# KiCad board Duet2.kicad_pcb (continued)
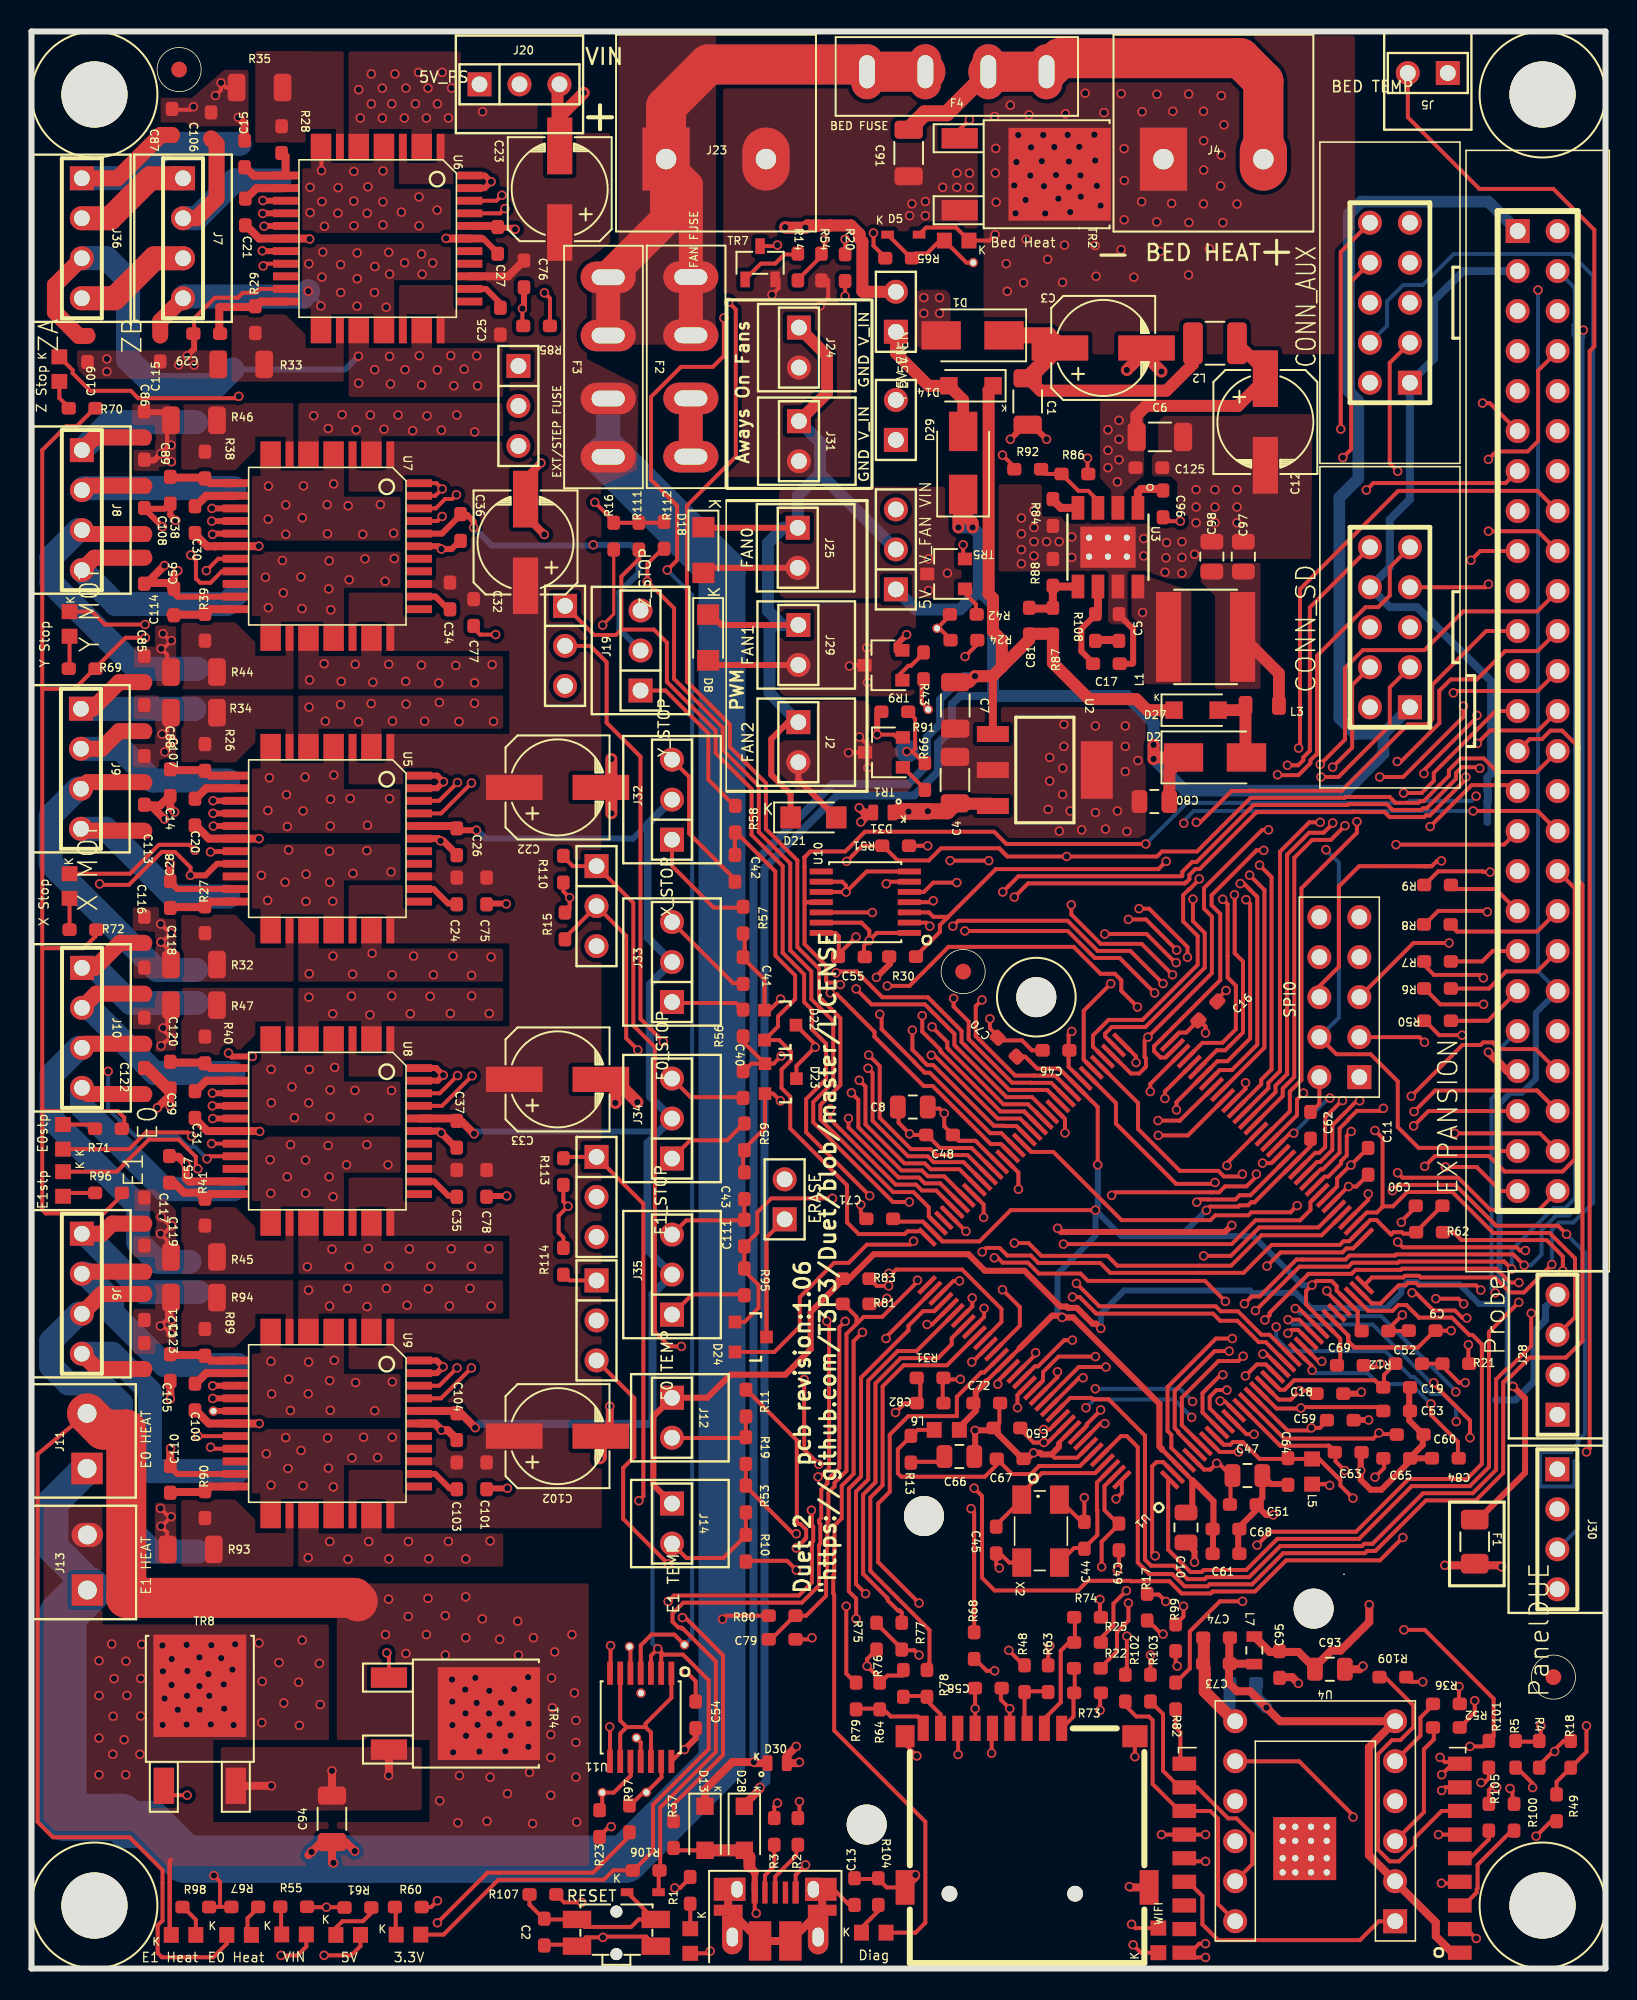
[diagram p0: board, top side]
## Copper pours and planes (outline as drawn; the poured copper is in the pictures) (continued)
Net-(R39-Pad1) on Top: 16.64,81.22 9.52,81.22 9.52,85.49 12.94,85.49 14.22,84.22 14.22,83.36 16.15,83.36 16.15,85.22 16.64,85.22
Net-(R40-Pad1) on Top: 16.64,58.28 16.14,58.28 16.14,60.13 14.22,60.13 14.22,59.28 12.94,58 9.52,58 9.52,62.27 16.64,62.27
Net-(R41-Pad1) on Top: 16.64,44.08 9.52,44.08 9.52,48.35 12.94,48.35 14.22,47.08 14.22,46.22 16.15,46.22 16.15,48.08 16.64,48.08
Net-(R89-Pad1) on Top: 16.64,39.71 16.14,39.71 16.14,41.56 14.22,41.56 14.22,40.71 12.94,39.43 9.52,39.43 9.52,43.7 16.64,43.7
Net-(R90-Pad1) on Top: 16.64,25.51 9.52,25.51 9.52,29.78 12.94,29.78 14.22,28.51 14.22,27.65 16.15,27.65 16.15,29.51 16.64,29.51

Small or netless copper shapes (teardrops, artwork), in the pictures only: 1 on Top, 1 on Bottom

## Text on the board
B.Silkscreen: CS5 | GND | E2_STOP | E2_DIR | HEATER3 | E3_STEP | E3_EN | E4_STOP | E4_DIR | HEATER5 | E5_STEP | E5_EN | E6_STOP | E6_DIR | ENN | SPI1SCK | SPI1_MISO | THERM4 | THERM6 | VSSA | RESET | TWCK0 | SPI0_MOSI | E2_EN | E4_STEP | HEATER7 | THERM3 | THERM5 | SPI0_MISO | E2_STEP | E3_STOP | E3_DIR | HEATER4 | E4_EN | E5_DIR | HEATER6 | E6_STEP | E6_EN | PB6/TMS | SPI1_MOSI | THERM7 | +3.3V | TWD0 | SPI0_SCK | +5V | E5_STOP | ADVREF | NC / 3.3V / SPI0_MISO / SPI0_SCK / GND | UTXD0 / +3.3V / SPI0_MISO / SPI0_SCK / GND | CS4 / CS3 / SPI0_MOSI / CS1 / CS2 | URXD0 / ENC_SW / SPI0_MOSI / SPI0_CS0 / +5V | E1 Heat | E0 Heat | VIN | 5V | 3.3V | USB | Diag | ERASE | LCD_DB4 / LCD_E / LCD_RS / ENC_A / GND | LCD_DB5 / LCD_DB6 / LCD_DB7 / ENC_B / +3.3V | 3.3V  MOD  GND  IN | 5V  GND URXD0 UTXD0 | GND PS_ON 5V_IN | GND / NPSC0 / EDR / IO5 / TX / RX | +3.3V / MOSI / MISO / SPCK / ESP_EN / ESP_RST | Z_STEP / Z_DIR / Z_EN/CS | Y_STEP / Y_DIR / Y_EN/CS | E0_STEP / E0_DIR / E0_EN/CS | X_STEP / X_DIR / X_EN/CS | E1_STEP / E1_DIR / E1_EN/CS | V_FAN / GND | V_FAN / FAN0- | V_FAN / FAN1- | V_FAN / FAN2- | VIN / V_FAN / +5V | CONN_SD | CONN_AUC | EXPANSION HEADER | VSSA R(th) | 2      1 | 50    49 | 1B / L1 / L2 / 2B | 1B / 1A / 2A / 2B | E1- / VIN | E0- / VIN | L1 / 1A / 2A / L2 | GND / 3V3 / STP | VSSA / E1 R(Th) | VSSA / E0 R(Th) | Int 5V EN | Ext 5V EN | SPI0 | X-AXIS MOTOR | E1 HEAT | E1 MOTOR | E0 MOTOR | E0 HEAT | Z-AXIS MOTOR | Y-AXIS MOTOR | PanelDUE | Probe | POWER IN / GND       VIN | BED HEATER / VIN     BED- | BED TEMP | v1.06 | + | _ | DUET 2
F.Silkscreen: PWM | Aways On Fans | Duet 2    pcb revision:1.06 / {dblquote}https://github.com/T3P3/Duet/blob/master/LICENSE | - | +
